# KiCad board SUMEC_MK_IV_Pro.kicad_pcb
title: SUMEC MK IV PCB; date: 2024-08-30; rev: v2.1.1; company: SPŠ NA PROSEKU; note: MADE BY BISMARX (SAVVA POPOV)
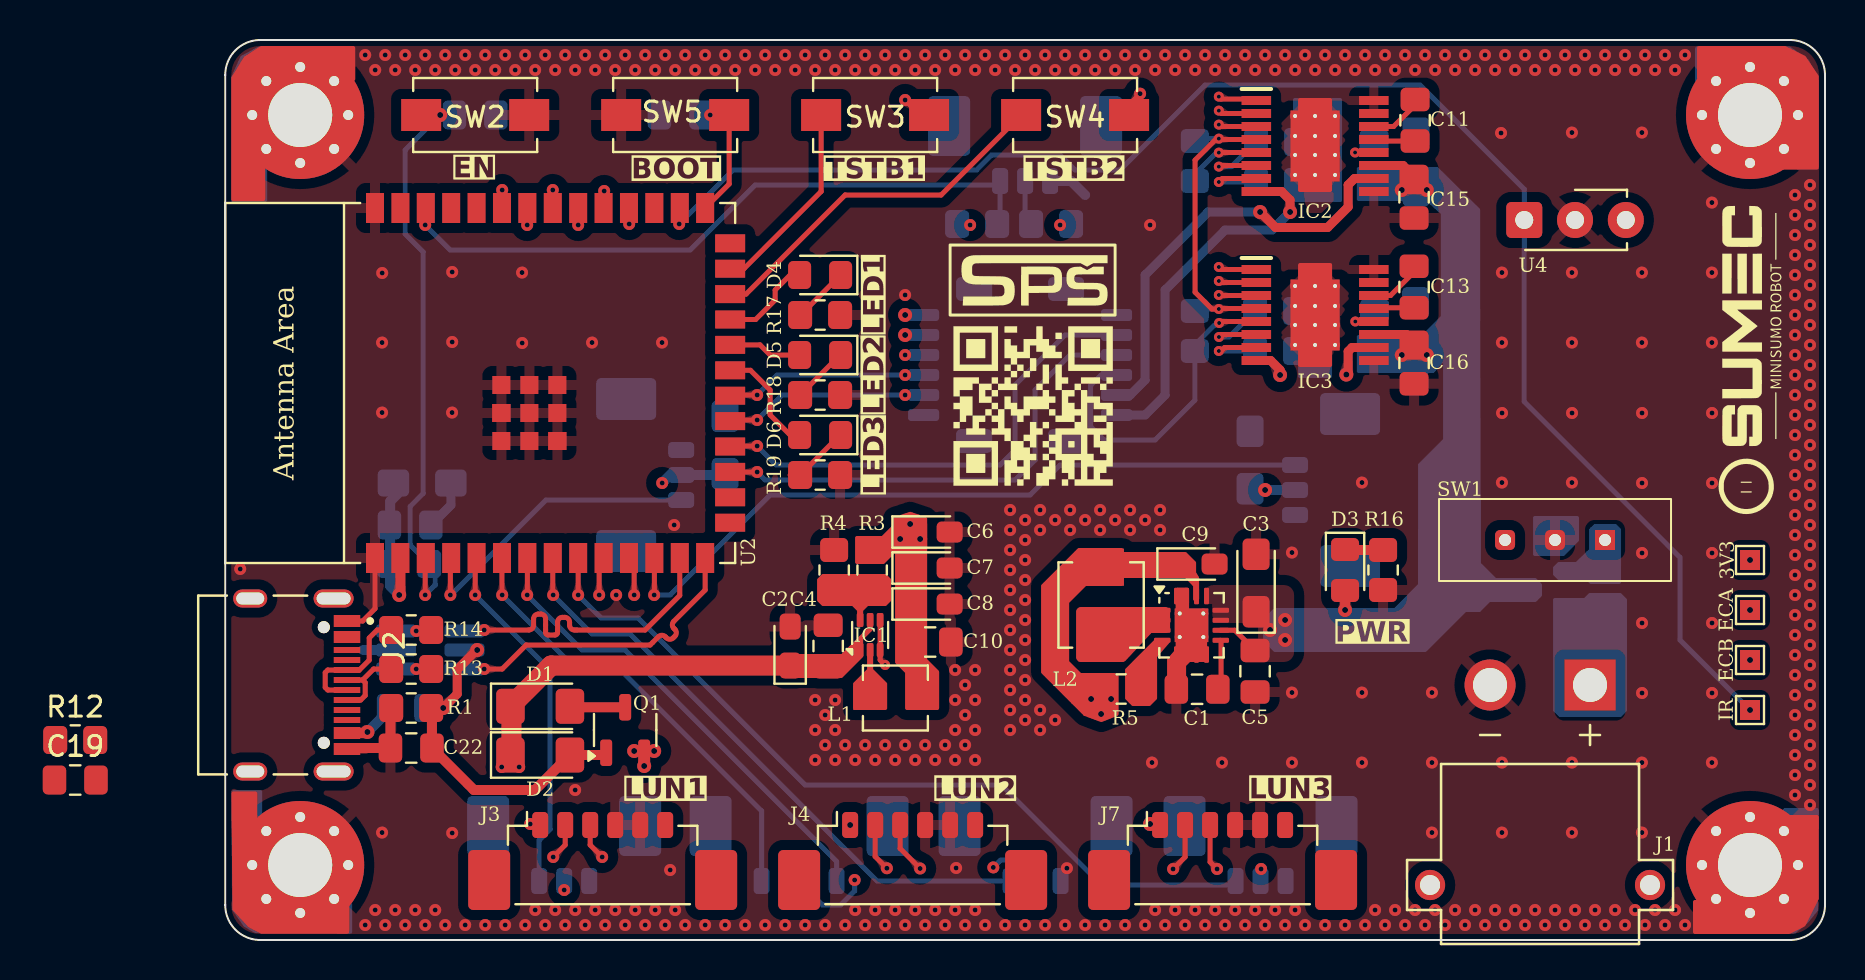
[diagram p0: board, top side]
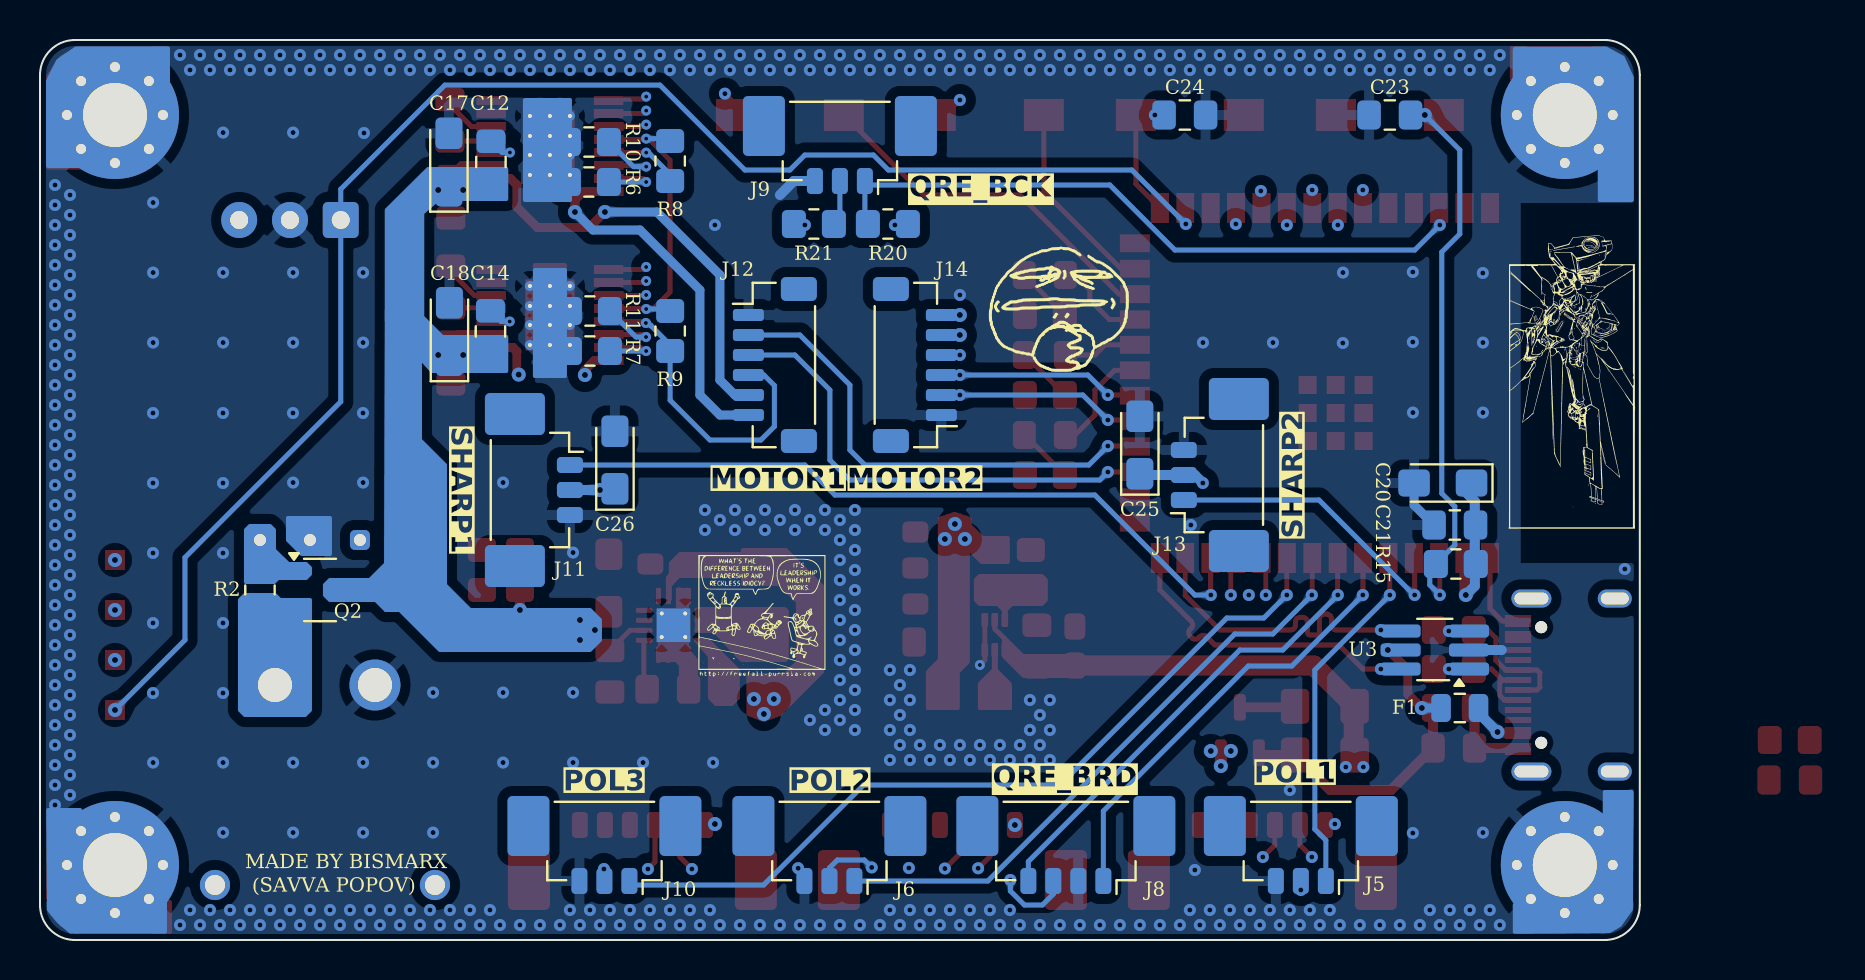
[diagram p1: board, bottom side, seen from below]

Outline 80 x 45 mm; copper layers: Top, In1.Cu (plane), In2.Cu (plane), Bottom. Coordinates in mm from the lower left corner of the outline.
Outline path: 0,43.25 0,1.75 arc(0.51,0.51) 1.75,0 78.25,0 arc(79.49,0.51) 80,1.75 80,43.25 arc(79.49,44.49) 78.25,45 1.75,45 arc(0.51,44.49) 0,43.25
Stack: Top 0.035mm / dielectric 0.1mm FR4 er 4.5 / In1.Cu 0.035mm / dielectric 1.24mm FR4 er 4.5 / In2.Cu 0.035mm / dielectric 0.1mm FR4 er 4.5 / Bottom 0.035mm

## Placement (name value [footprint] x y rotation side)
C1  3.3nF  [C_0805_2012Metric_Pad1.18x1.45mm_HandSolder]  48.6 12.54 0 top
C2  22uF  [CP_EIA-2012-12_Kemet-R_Pad1.30x1.05mm_HandSolder]  28.25 14.7 90 top
C3  10uF  [CP_EIA-3216-18_Kemet-A_Pad1.58x1.35mm_HandSolder]  51.55 17.85 90 top
C4  100nF  [C_0805_2012Metric_Pad1.18x1.45mm_HandSolder]  30.15 14.7 90 top
C5  100nF  [C_0805_2012Metric_Pad1.18x1.45mm_HandSolder]  51.5 13.44 270 top
C6  22uF  [CP_EIA-2012-12_Kemet-R_Pad1.30x1.05mm_HandSolder]  35.25 20.4 0 top
C7  22uF  [CP_EIA-2012-12_Kemet-R_Pad1.30x1.05mm_HandSolder]  35.25 18.6 0 top
C8  22uF  [CP_EIA-2012-12_Kemet-R_Pad1.30x1.05mm_HandSolder]  35.25 16.8 0 top
C9  22uF  [CP_EIA-2012-12_Kemet-R_Pad1.30x1.05mm_HandSolder]  48.5 18.8 0 top
C10  100nF  [C_0805_2012Metric_Pad1.18x1.45mm_HandSolder]  35.25 14.9 0 top
C11  22nF  [C_0805_2012Metric_Pad1.18x1.45mm_HandSolder]  59.5 40.99 270 top
C12  100nF  [C_0805_2012Metric_Pad1.18x1.45mm_HandSolder]  57.45 38.9 270 bottom
C13  22nF  [C_0805_2012Metric_Pad1.18x1.45mm_HandSolder]  59.45 32.65 270 top
C14  100nF  [C_0805_2012Metric_Pad1.18x1.45mm_HandSolder]  57.47 30.42 270 bottom
C15  100nF  [C_0805_2012Metric_Pad1.18x1.45mm_HandSolder]  59.45 37.14 90 top
C16  100nF  [C_0805_2012Metric_Pad1.18x1.45mm_HandSolder]  59.45 28.85 90 top
C17  10uF  [CP_EIA-3216-18_Kemet-A_Pad1.58x1.35mm_HandSolder]  59.55 38.9 90 bottom
C18  10uF  [CP_EIA-3216-18_Kemet-A_Pad1.58x1.35mm_HandSolder]  59.53 30.42 90 bottom
C19  100nF  [C_0805_2012Metric_Pad1.18x1.45mm_HandSolder]  -7.5 8 0 top
C20  10uF  [CP_EIA-3216-18_Kemet-A_Pad1.58x1.35mm_HandSolder]  9.85 22.85 0 bottom
C21  100nF  [C_0805_2012Metric_Pad1.18x1.45mm_HandSolder]  9.25 20.75 0 bottom
C22  100nF  [C_0805_2012Metric_Pad1.18x1.45mm_HandSolder]  9.3 9.6 180 top
C23  100nF  [C_0805_2012Metric_Pad1.18x1.45mm_HandSolder]  12.5 41.25 0 bottom
C24  100nF  [C_0805_2012Metric_Pad1.18x1.45mm_HandSolder]  22.75 41.25 180 bottom
C25  10uF  [CP_EIA-3216-18_Kemet-A_Pad1.58x1.35mm_HandSolder]  25 24.75 90 bottom
C26  10uF  [CP_EIA-3216-18_Kemet-A_Pad1.58x1.35mm_HandSolder]  51.25 24 90 bottom
D1  D_Schottky  [D_1206_3216Metric_Pad1.42x1.75mm_HandSolder]  15.75 11.69 0 top
D2  D_Schottky  [D_1206_3216Metric_Pad1.42x1.75mm_HandSolder]  15.75 9.25 0 top
D3  LED  [LED_0805_2012Metric_Pad1.15x1.40mm_HandSolder]  56 18.5 270 top
D4  LED  [LED_0805_2012Metric_Pad1.15x1.40mm_HandSolder]  29.75 33.25 180 top
D5  LED  [LED_0805_2012Metric_Pad1.15x1.40mm_HandSolder]  29.75 29.25 180 top
D6  LED  [LED_0805_2012Metric_Pad1.15x1.40mm_HandSolder]  29.75 25.25 180 top
F1  Polyfuse/50R  [Fuse_0805_2012Metric]  9 11.6 180 bottom
H1  Mounting Hole M3  [MountingHole_3.2mm_M3_Pad_Via]  3.75 41.25 0 top
H2  Mounting Hole M3  [MountingHole_3.2mm_M3_Pad_Via]  76.25 41.25 0 top
H3  Mounting Hole M3  [MountingHole_3.2mm_M3_Pad_Via]  3.75 3.75 0 top
H4  Mounting Hole M3  [MountingHole_3.2mm_M3_Pad_Via]  76.25 3.75 0 top
IC1  TPS565242DRLR  [SOT-563]  32.25 15.25 90 top
IC2  DRV8874PWPR  [DRV8874]  54.5 39.7 0 top
IC3  DRV8874PWPR  [DRV8874]  54.5 31.25 0 top
J1  -  [XT30PW-M]  65.75 2.75 180 top
J2  USB_TypeC  [HRO_TYPE-C-31-M-12]  1.25 12.75 270 top
J3  Conn_01x06_Pin  [Molex_PicoBlade_53398-0671_1x06-1MP_P1.25mm_Vertical]  18.88 4.5 0 top
J4  Conn_01x06_Pin  [Molex_PicoBlade_53398-0671_1x06-1MP_P1.25mm_Vertical]  34.38 4.5 0 top
J5  Conn_01x03_Pin  [Molex_PicoBlade_53398-0371_1x03-1MP_P1.25mm_Vertical]  16.95 4.2 0 bottom
J6  Conn_01x03_Pin  [Molex_PicoBlade_53398-0371_1x03-1MP_P1.25mm_Vertical]  40.53 4.2 0 bottom
J7  Conn_01x06_Pin  [Molex_PicoBlade_53398-0671_1x06-1MP_P1.25mm_Vertical]  49.88 4.5 0 top
J8  Conn_01x04_Pin  [Molex_PicoBlade_53398-0471_1x04-1MP_P1.25mm_Vertical]  28.7 4.2 0 bottom
J9  Conn_01x03_Pin  [Molex_PicoBlade_53398-0371_1x03-1MP_P1.25mm_Vertical]  40 39.2 0 bottom
J10  Conn_01x03_Pin  [Molex_PicoBlade_53398-0371_1x03-1MP_P1.25mm_Vertical]  51.78 4.2 0 bottom
J11  Conn_01x03_Pin  [Molex_PicoBlade_53398-0371_1x03-1MP_P1.25mm_Vertical]  54.75 22.5 270 bottom
J12  Conn_01x06_Socket  [JST_SH_BM06B-SRSS-TB_1x06-1MP_P1.00mm_Vertical]  43.25 28.75 270 bottom
J13  Conn_01x03_Pin  [Molex_PicoBlade_53398-0371_1x03-1MP_P1.25mm_Vertical]  21.55 23.25 90 bottom
J14  Conn_01x06_Socket  [JST_SH_BM06B-SRSS-TB_1x06-1MP_P1.00mm_Vertical]  36.25 28.75 90 bottom
L1  1.5uH  [L_Vishay_IHLP-1212]  33.51 12.1 0 top
L2  2.2uH  [L_Vishay_IHLP-1616]  43.8 16.75 90 top
NOREF  -  [unnamed]  55.5 40.2 0 top
NOREF#2  -  [unnamed]  53.5 41.2 0 top
NOREF#3  -  [unnamed]  55.5 31.7 0 top
NOREF#4  -  [unnamed]  53.5 38.25 0 top
NOREF#5  -  [unnamed]  54.5 32.7 0 top
NOREF#6  -  [unnamed]  54.5 38.25 0 top
NOREF#7  -  [unnamed]  53.5 32.7 0 top
NOREF#8  -  [unnamed]  54.5 29.75 0 top
NOREF#9  -  [unnamed]  53.5 31.7 0 top
NOREF#10  -  [unnamed]  54.5 39.25 0 top
NOREF#11  -  [unnamed]  55.5 41.2 0 top
NOREF#12  -  [unnamed]  54.5 40.2 0 top
NOREF#13  -  [unnamed]  55.5 30.75 0 top
NOREF#14  -  [unnamed]  55.5 29.75 0 top
NOREF#15  -  [unnamed]  55.5 32.7 0 top
NOREF#16  -  [unnamed]  54.5 30.75 0 top
NOREF#17  -  [unnamed]  54.5 31.7 0 top
NOREF#18  -  [unnamed]  53.5 30.75 0 top
NOREF#19  -  [unnamed]  55.5 38.25 0 top
NOREF#20  -  [unnamed]  53.5 39.25 0 top
NOREF#21  -  [unnamed]  54.5 41.2 0 top
NOREF#22  -  [unnamed]  53.5 40.2 0 top
NOREF#23  -  [unnamed]  55.5 39.25 0 top
NOREF#24  -  [unnamed]  53.5 29.75 0 top
Q1  Q_PMOS  [SOT-23-3]  20 10.5 90 top
Q2  Q_PMOS  [SOT-23-3]  66 17.5 180 bottom
R1  10k  [R_0805_2012Metric_Pad1.20x1.40mm_HandSolder]  9.3 11.6 180 top
R2  10k  [R_0805_2012Metric_Pad1.20x1.40mm_HandSolder]  69 17.5 90 bottom
R3  45k  [R_0805_2012Metric_Pad1.20x1.40mm_HandSolder]  32.35 18.5 270 top
R4  10k  [R_0805_2012Metric_Pad1.20x1.40mm_HandSolder]  30.45 18.5 90 top
R5  100k  [R_0805_2012Metric_Pad1.20x1.40mm_HandSolder]  44.8 12.55 0 top
R6  0R/R-Imode  [R_0805_2012Metric_Pad1.20x1.40mm_HandSolder]  52.55 37.9 180 bottom
R7  0R/R-Imode  [R_0805_2012Metric_Pad1.20x1.40mm_HandSolder]  52.5 29.45 180 bottom
R8  10k  [R_0805_2012Metric_Pad1.20x1.40mm_HandSolder]  48.49 38.95 90 bottom
R9  10k  [R_0805_2012Metric_Pad1.20x1.40mm_HandSolder]  48.49 30.45 90 bottom
R10  0R/R-Ipropi  [R_0805_2012Metric_Pad1.20x1.40mm_HandSolder]  52.55 39.9 180 bottom
R11  0R/R-Ipropi  [R_0805_2012Metric_Pad1.20x1.40mm_HandSolder]  52.5 31.45 180 bottom
R12  100k  [R_0805_2012Metric_Pad1.20x1.40mm_HandSolder]  -7.5 10 0 top
R13  15R  [R_0805_2012Metric_Pad1.20x1.40mm_HandSolder]  9.3 13.55 0 top
R14  15R  [R_0805_2012Metric_Pad1.20x1.40mm_HandSolder]  9.3 15.5 0 top
R15  10k  [R_0805_2012Metric_Pad1.20x1.40mm_HandSolder]  9.2 18.8 180 bottom
R16  560R  [R_0805_2012Metric_Pad1.20x1.40mm_HandSolder]  57.9 18.5 270 top
R17  100R  [R_0805_2012Metric_Pad1.20x1.40mm_HandSolder]  29.75 31.25 0 top
R18  100R  [R_0805_2012Metric_Pad1.20x1.40mm_HandSolder]  29.75 27.25 0 top
R19  100R  [R_0805_2012Metric_Pad1.20x1.40mm_HandSolder]  29.75 23.25 0 top
R20  10k  [R_0805_2012Metric_Pad1.20x1.40mm_HandSolder]  37.6 35.8 0 bottom
R21  100R  [R_0805_2012Metric_Pad1.20x1.40mm_HandSolder]  41.3 35.8 180 bottom
SW1  SW_DPDT_x2  [Custom_SPDT_2.5_Switch]  66.5 20 270 top
SW2  SW_Push  [SW_SPST_EVQPE1]  12.5 41.25 180 top
SW3  SW_Push  [SW_SPST_EVQPE1]  32.5 41.25 180 top
SW4  SW_Push  [SW_SPST_EVQPE1]  42.5 41.25 180 top
SW5  SW_Push  [SW_SPST_EVQPE1]  22.5 41.25 0 top
TP1  TestPoint  [TestPoint_Pad_1.0x1.0mm]  76.25 19 0 top
TP2  TestPoint  [TestPoint_Pad_1.0x1.0mm]  76.25 16.5 0 top
TP3  TestPoint  [TestPoint_Pad_1.0x1.0mm]  76.25 14 0 top
TP4  TestPoint  [TestPoint_Pad_1.0x1.0mm]  76.25 11.5 90 top
TP5  TestPoint  [SPS_LOGO_IMG]  40.25 33.25 0 top
TP6  TestPoint  [SUMEC_LOGO_IMG]  76.81 28.11 90 top
TP7  TestPoint  [ULTRAKILL_IMG]  1.33 21.3 270 bottom
TP8  TestPoint  [SUMEC_QR_IMG]  40.4 26.7 0 top
TP9  TestPoint  [FREFALL_COMIC_IMG]  44.04 15.79 180 bottom
TP10  TestPoint  [ME_FR_IMG]  28.34 32.26 180 bottom
U1  TPS62133  [VQFN-16-1EP_3x3mm_P0.5mm_EP1.68x1.68mm_ThermalVias]  48.32 15.74 0 top
U2  -  [ESP32-S3-WROOM-1]  15.75 27.85 90 top
U3  USBLC6-2SC6  [TSOT-23-6_HandSoldering]  10.25 14.5 0 bottom
U4  TSOP382xx  [Vishay_TSOP382]  64.96 36 0 top

## Library data of the parts
C1 C5 C15 C16 C19 C21-C24 = -: ki_fp_filters: C_*
C2 = -: Datasheet: https://cz.mouser.com/ProductDetail/KYOCERA-AVX/TCTP1A226M8R?qs=By6Nw2ByBD3AJs9Xk0HVmg%3D%3D; Description: Polarized capacitor; ki_fp_filters: CP_*
C3 C17 C18 C20 C25 C26 = -: ki_fp_filters: CP_*
C4 C10 = -: LCSC: C49678; ki_fp_filters: C_*
C6-C8 = -: Description: Polarized capacitor; ki_fp_filters: CP_*
C9 = -: Datasheet: https://cz.mouser.com/ProductDetail/KEMET/T491B226M016AT?qs=jcsBHvPDQt8gyh5ckREv0w%3D%3D; Description: Polarized capacitor; ki_fp_filters: CP_*
C11-C14 = -: Description: Unpolarized capacitor, small symbol; ki_fp_filters: C_*
D1 D2 = -: Description: Schottky diode; ki_fp_filters: TO-???* *_Diode_* *SingleDiode* D_*
D3-D6 = -: ki_fp_filters: LED* LED_SMD:* LED_THT:*
F1 = -: Datasheet: https://cz.mouser.com/ProductDetail/Littelfuse/0805L020-16YR?qs=HoCaDK9Nz5e9OjGjdp4q0Q%3D%3D; Description: Resettable fuse, polymeric positive temperature coefficient; ki_fp_filters: *polyfuse* *PTC*
H1-H4 = -: Description: Mounting Hole with connection; ki_fp_filters: MountingHole*Pad*
IC1 = -: Datasheet: https://www.ti.com/lit/gpn/tps565247; Description: Switching Voltage Regulators 3-V to 16-V input voltage, 5-A ECO mode, synchronous buck converter in SOT-563 package; Height: 0.6; Manufacturer_Name: Texas Instruments; Mouser Part Number: 595-TPS565242DRLR; Mouser Price/Stock: https://www.mouser.co.uk/ProductDetail/Texas-Instruments/TPS565242DRLR?qs=tlsG%2FOw5FFgHUuabKshykA%3D%3D; LCSC: XXXX
IC2 IC3 = -: Datasheet: https://www.ti.com/lit/gpn/DRV8874; Description: H-Bridge Motor Driver With Integrated Current Sense and Regulation; Height: 1.2; Manufacturer_Name: Texas Instruments; Mouser Part Number: 595-DRV8874PWPR; Mouser Price/Stock: https://www.mouser.co.uk/ProductDetail/Texas-Instruments/DRV8874PWPR?qs=mAH9sUMRCtvh%2FSU15ywmDA%3D%3D; Arrow Price/Stock: https://www.arrow.com/en/products/drv8874pwpr/texas-instruments?region=nac
J1 = -: Description: Socket; DC supply; XT30; male; PIN: 2; on PCBs; THT; Colour: yellow; MF: AMASS; MAXIMUM_PACKAGE_HEIGHT: 5 mm; Package: None; Price: None; Check_prices: https://www.snapeda.com/parts/XT30PW-M/AMASS/view-part/?ref=eda; STANDARD: Manufacturer Recommendations; PARTREV: 1.2; SnapEDA_Link: https://www.snapeda.com/parts/XT30PW-M/AMASS/view-part/?ref=snap; MANUFACTURER: Amass; Availability: Not in stock
J2 = -: Datasheet: TYPE-C-31-M-12; Description: USB Connectors 24 Receptacle 1 8.94*7.3mm RoHS; MF: HRO Electronics Co., Ltd.; MAXIMUM_PACKAGE_HEIGHT: 3.26 mm; Package: Package; Price: None; Check_prices: https://www.snapeda.com/parts/TYPE-C-31-M-12/HRO+Electronics+Co.%252C+Ltd./view-part/?ref=eda; STANDARD: Manufacturer Recommendations; PARTREV: 2020.12.08; SnapEDA_Link: https://www.snapeda.com/parts/TYPE-C-31-M-12/HRO+Electronics+Co.%252C+Ltd./view-part/?ref=snap; MP: TYPE-C-31-M-12; SNAPEDA_PN: TYPE-C-31-M-12; Availability: Not in stock; MANUFACTURER: HRO Electronics Co., Ltd.
J3 J4 J7-J9 J11 J13 = -: ki_fp_filters: Connector*:*_1x??_*
J5 J6 J10 = -: Description: Generic connector, single row, 01x03, script generated; ki_fp_filters: Connector*:*_1x??_*
J12 J14 = -: Description: Generic connector, single row, 01x06, script generated; ki_fp_filters: Connector*:*_1x??_*
L1 = -: Datasheet: https://cz.mouser.com/ProductDetail/Vishay-Dale/IHLP1212BZEV1R5M5A?qs=BJlw7L4Cy7%2FLPKyjRWwgFw%3D%3D; Description: Inductor; ki_fp_filters: Choke_* *Coil* Inductor_* L_*
L2 = -: Datasheet: https://cz.mouser.com/ProductDetail/Vishay-Dale/IHLP1616BZER2R2M5A?qs=AQlKX63v8Rsr6Hc3BY6yZA%3D%3D; Description: Inductor; ki_fp_filters: Choke_* *Coil* Inductor_* L_*
Q1 = -: Description: P-MOSFET transistor, gate/source/drain
Q2 = -: Datasheet: https://cz.mouser.com/ProductDetail/Vishay-Semiconductors/SI2393DS-T1-GE3?qs=BJlw7L4Cy7%2FUF13oxTStOQ%3D%3D; Description: P-MOSFET transistor, gate/source/drain
R1 R2 R5 = -: Description: Resistor; ki_fp_filters: R_*
R3 = -: LCSC: C17470; ki_fp_filters: R_*
R4 = -: LCSC: C17633; ki_fp_filters: R_*
R6-R11 = -: Description: Resistor, small symbol; ki_fp_filters: R_*
R12-R21 = -: ki_fp_filters: R_*
SW1 = -: Datasheet: https://cz.mouser.com/ProductDetail/Same-Sky/SLW-116641-5A-S-D?qs=IKkN%2F947nfBZSdW8n5Vqgw%3D%3D; ki_fp_filters: SW*DPDT*
SW2 = -: Datasheet: https://cz.mouser.com/ProductDetail/Panasonic/EVQ-PE104K?qs=wX5mvoJE4NGLiYsCBZAptQ%3D%3D
TP1-TP10 = -: Description: test point; ki_fp_filters: Pin* Test*
U1 = -: Datasheet: http://www.ti.com/lit/ds/symlink/tps62130.pdf; Description: 3A Step-Down Converter with DCS-Control, Fixed 5.0V Output Voltage, 3-17V Input Voltage, QFN-16; ki_fp_filters: VQFN*1EP*3x3mm*P0.5mm*
U2 = -: Datasheet: https://www.espressif.com/sites/default/files/documentation/esp32-s3-wroom-1_wroom-1u_datasheet_en.pdf; Description: RF Module, ESP32-S3 SoC, Wi-Fi 802.11b/g/n, Bluetooth, BLE, 32-bit, 3.3V, onboard antenna, SMD; ki_fp_filters: ESP32?S3?WROOM?1*
U3 = -: Description: 17V Clamp 5A (8/20µs) Ipp Tvs Diode Surface Mount SOT-23-6; MF: STMicroelectronics; PURCHASE-URL: https://pricing.snapeda.com/search/part/USBLC6-2SC6/?ref=eda; PACKAGE: SOT-23-6 STMicroelectronics; PRICE: None; Package: SOT-23-6 STMicroelectronics; Check_prices: https://www.snapeda.com/parts/USBLC6-2SC6/STMicroelectronics/view-part/?ref=eda; Price: None; SnapEDA_Link: https://www.snapeda.com/parts/USBLC6-2SC6/STMicroelectronics/view-part/?ref=snap; Purchase-URL: https://www.snapeda.com/api/url_track_click_mouser/?unipart_id=231887&manufacturer=STMicroelectronics&part_name=USBLC6-2SC6&search_term=None; Availability: In Stock; AVAILABILITY: In Stock; DESCRIPTION: 17V Clamp 5A (8/20µs) Ipp Tvs Diode Surface Mount SOT-23-6
U4 = -: Datasheet: http://www.vishay.com/docs/82491/tsop382.pdf; Description: Photo Modules for PCM Remote Control Systems; ki_fp_filters: Vishay*MINICAST*

## Footprints (pads in the part's own frame, mm; a bottom-side part is the same pattern mirrored in y, then rotated)
C_0805_2012Metric_Pad1.18x1.45mm_HandSolder
  rrect 1.175x1.45 smd: 1(-1.038,0) 2(1.038,0)
CP_EIA-2012-12_Kemet-R_Pad1.30x1.05mm_HandSolder
  rrect 1.3x1.05 smd: 1(-0.975,0) 2(0.975,0)
CP_EIA-3216-18_Kemet-A_Pad1.58x1.35mm_HandSolder
  rrect 1.575x1.35 smd: 1(-1.438,0) 2(1.438,0)
Custom_SPDT_2.5_Switch
  rect 1x1 hole 0.6: 1(0,2.5)
  rrect 1x1 hole 0.6: 2(0,0) 3(0,-2.5)
D_1206_3216Metric_Pad1.42x1.75mm_HandSolder
  rrect 1.425x1.75 smd: 1(-1.488,0) 2(1.488,0)
DRV8874
  rect 1.475x0.45 smd: 1(-2.938,2.275) 2(-2.938,1.625) 3(-2.938,0.975) 4(-2.938,0.325) 5(-2.938,-0.325) 6(-2.938,-0.975) 7(-2.938,-1.625) 8(-2.938,-2.275) 9(2.938,-2.275) 10(2.938,-1.625) 11(2.938,-0.975) 12(2.938,-0.325) 13(2.938,0.325) 14(2.938,0.975) 15(2.938,1.625) 16(2.938,2.275)
  rect 2.46x3.55 smd: 17(0,0)
ESP32-S3-WROOM-1
  rect 1.5x0.9 smd: 1(-8.75,8.26) 2(-8.75,6.99) 3(-8.75,5.72) 4(-8.75,4.45) 5(-8.75,3.18) 6(-8.75,1.91) 7(-8.75,0.64) 8(-8.75,-0.63) 9(-8.75,-1.9) 10(-8.75,-3.17) 11(-8.75,-4.44) 12(-8.75,-5.71) 13(-8.75,-6.98) 14(-8.75,-8.25) 27(8.75,-8.25) 28(8.75,-6.98) 29(8.75,-5.71) 30(8.75,-4.44) 31(8.75,-3.17) 32(8.75,-1.9) 33(8.75,-0.63) 34(8.75,0.64) 35(8.75,1.91) 36(8.75,3.18) 37(8.75,4.45) 38(8.75,5.72) 39(8.75,6.99) 40(8.75,8.26)
  rect 0.9x1.5 smd: 15(-6.985,-9.5) 16(-5.715,-9.5) 17(-4.445,-9.5) 18(-3.175,-9.5) 19(-1.905,-9.5) 20(-0.635,-9.5) 21(0.635,-9.5) 22(1.905,-9.5) 23(3.175,-9.5) 24(4.445,-9.5) 25(5.715,-9.5) 26(6.985,-9.5)
  rect 0.9x0.9 smd: 41(-2.9,1.94) 41(-2.9,0.54) 41(-2.9,-0.86) 41(-2.9,-0.86) 41(-1.5,1.94) 41(-1.5,1.94) 41(-1.5,0.54) 41(-1.5,-0.86) 41(-0.1,1.94) 41(-0.1,0.54) 41(-0.1,-0.86)
Fuse_0805_2012Metric
  rrect 0.975x1.4 smd: 1(-0.938,0) 2(0.938,0)
HRO_TYPE-C-31-M-12
  round 0.6 hole 0.6 unplated: (-2.89,3.68) (2.89,3.68)
  rect 0.6x1.32 smd: A1_B12(-3.2,4.84) A4_B9(-2.4,4.84) B1_A12(3.2,4.84) B4_A9(2.4,4.84)
  rect 0.3x1.32 smd: A5(-1.25,4.84) A6(-0.25,4.84) A7(0.25,4.84) A8(1.25,4.84) B5(1.75,4.84) B6(0.75,4.84) B7(-0.75,4.84) B8(-1.75,4.84)
  oval 0.9x2 hole 0.6x1.7: S1(-4.325,4.17) S2(4.325,4.17)
  oval 0.9x1.7 hole 0.6x1.4: S3(-4.325,0) S4(4.325,0)
JST_SH_BM06B-SRSS-TB_1x06-1MP_P1.00mm_Vertical
  rrect 0.6x1.55 smd: 1(-2.5,-1.325) 2(-1.5,-1.325) 3(-0.5,-1.325) 4(0.5,-1.325) 5(1.5,-1.325) 6(2.5,-1.325)
  rrect 1.2x1.8 smd: MP(-3.8,1.2) MP(3.8,1.2)
L_Vishay_IHLP-1212
  rect 1.5x1.2 smd: 1(-1.35,0) 2(1.35,0)
L_Vishay_IHLP-1616
  rect 1.855x2.286 smd: 1(-1.892,0) 2(1.892,0)
LED_0805_2012Metric_Pad1.15x1.40mm_HandSolder
  rrect 1.15x1.4 smd: 1(-1.025,0) 2(1.025,0)
Molex_PicoBlade_53398-0371_1x03-1MP_P1.25mm_Vertical
  rrect 0.8x1.3 smd: 1(-1.25,1.25) 2(0,1.25) 3(1.25,1.25)
  rrect 2.1x3 smd: MP(-3.8,-1.5) MP(3.8,-1.5)
Molex_PicoBlade_53398-0471_1x04-1MP_P1.25mm_Vertical
  rrect 0.8x1.3 smd: 1(-1.875,1.25) 2(-0.625,1.25) 3(0.625,1.25) 4(1.875,1.25)
  rrect 2.1x3 smd: MP(-4.425,-1.5) MP(4.425,-1.5)
Molex_PicoBlade_53398-0671_1x06-1MP_P1.25mm_Vertical
  rrect 0.8x1.3 smd: 1(-3.125,1.25) 2(-1.875,1.25) 3(-0.625,1.25) 4(0.625,1.25) 5(1.875,1.25) 6(3.125,1.25)
  rrect 2.1x3 smd: MP(-5.675,-1.5) MP(5.675,-1.5)
MountingHole_3.2mm_M3_Pad_Via
  round 0.8 hole 0.5: 1(-2.4,0) 1(-1.697,1.697) 1(-1.697,-1.697) 1(0,2.4) 1(0,-2.4) 1(1.697,1.697) 1(1.697,-1.697) 1(2.4,0)
  round 6.4 hole 3.2: 1(0,0)
R_0805_2012Metric_Pad1.20x1.40mm_HandSolder
  rrect 1.2x1.4 smd: 1(-1,0) 2(1,0)
SOT-23-3
  rrect 1.325x0.6 smd: 1(-1.137,0.95) 2(-1.137,-0.95) 3(1.137,0)
SOT-563
  rrect 0.7x0.34 smd: 1(-0.75,0.5) 2(-0.75,0) 3(-0.75,-0.5) 4(0.75,-0.5) 5(0.75,0) 6(0.75,0.5)
SW_SPST_EVQPE1
  rect 2x1.6 smd: 1(-2.7,0) 2(2.7,0)
TestPoint_Pad_1.0x1.0mm
  rect 1x1 smd: 1(0,0)
TSOT-23-6_HandSoldering
  rrect 2x0.65 smd: 1(-1.71,0.95) 2(-1.71,0) 3(-1.71,-0.95) 4(1.71,-0.95) 5(1.71,0) 6(1.71,0.95)
unnamed
  round 0.5 hole 0.2: (0,0)
Vishay_TSOP382
  rrect 1.8x1.8 hole 0.9: 1(0,0)
  round 1.8 hole 0.9: 2(2.54,0) 3(5.08,0)